# KiCad board QASS_PCB lowbar.kicad_pcb
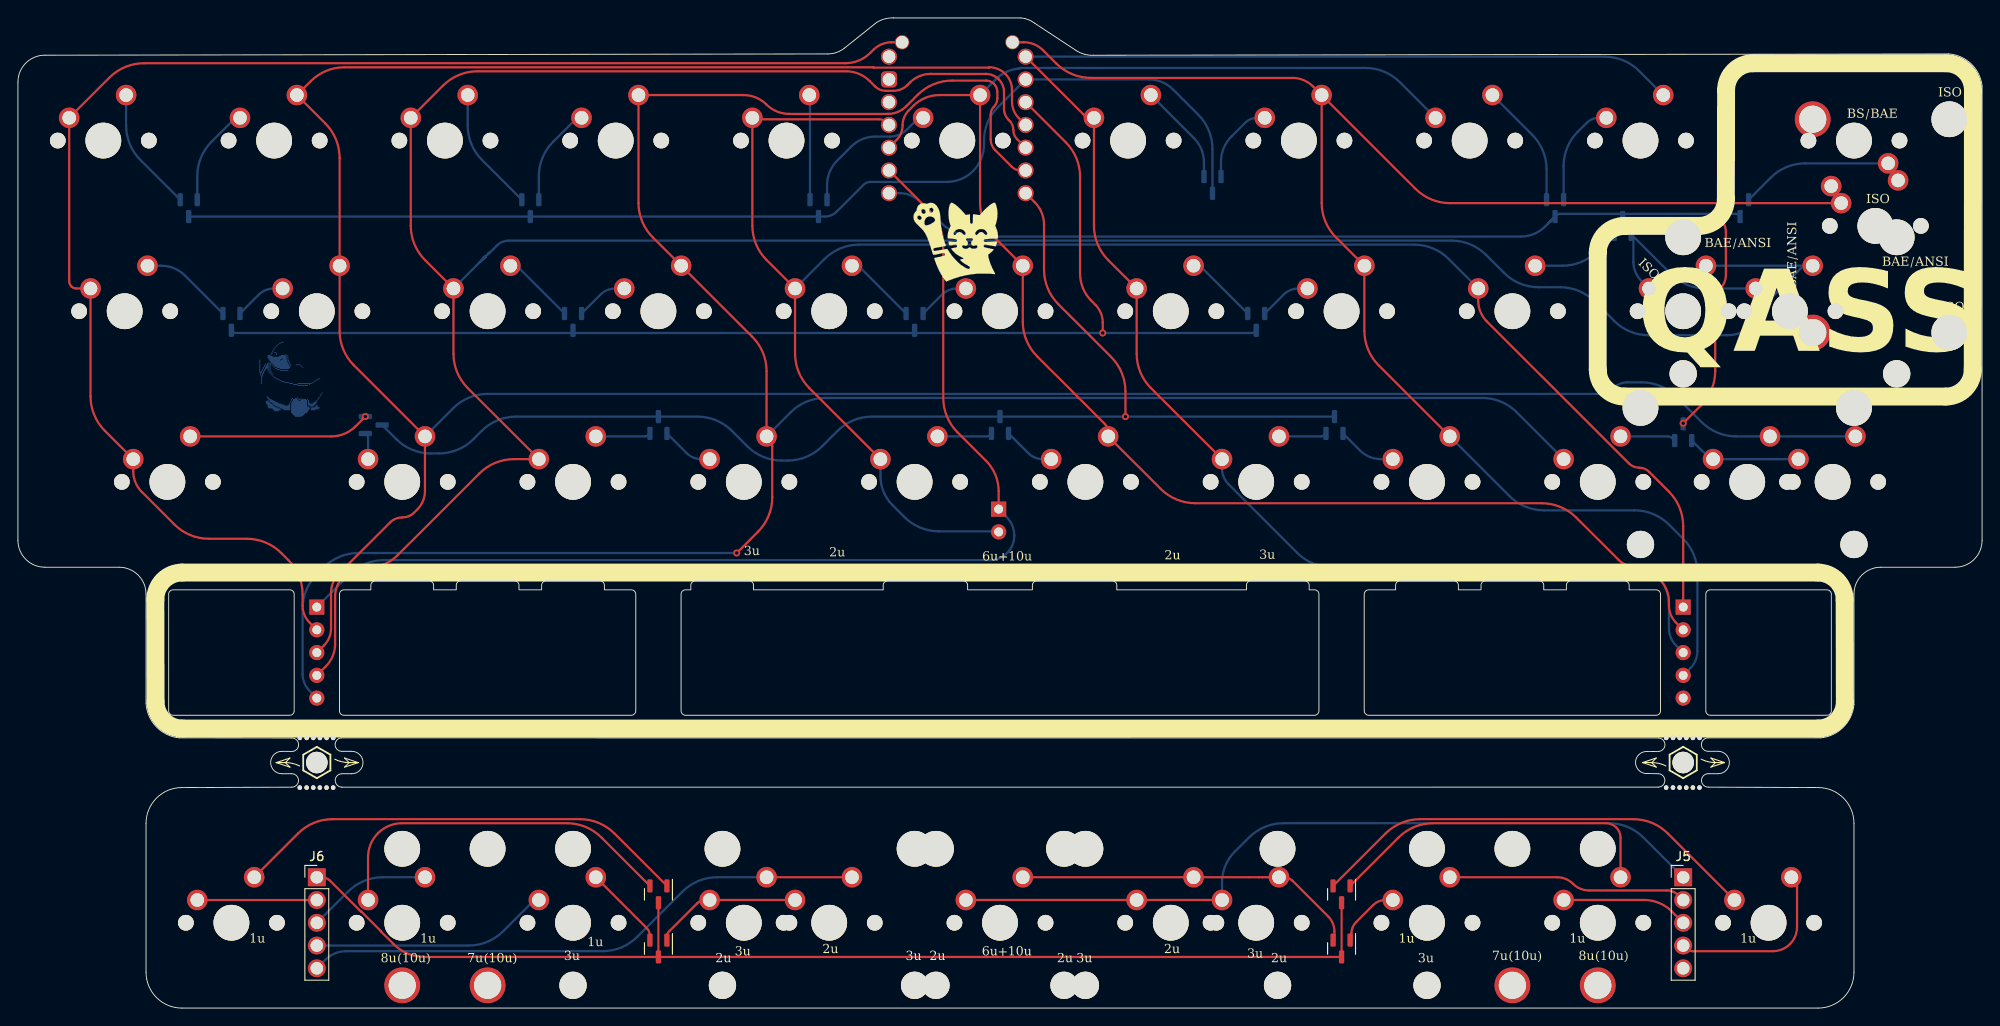
[diagram p0: board, top side]
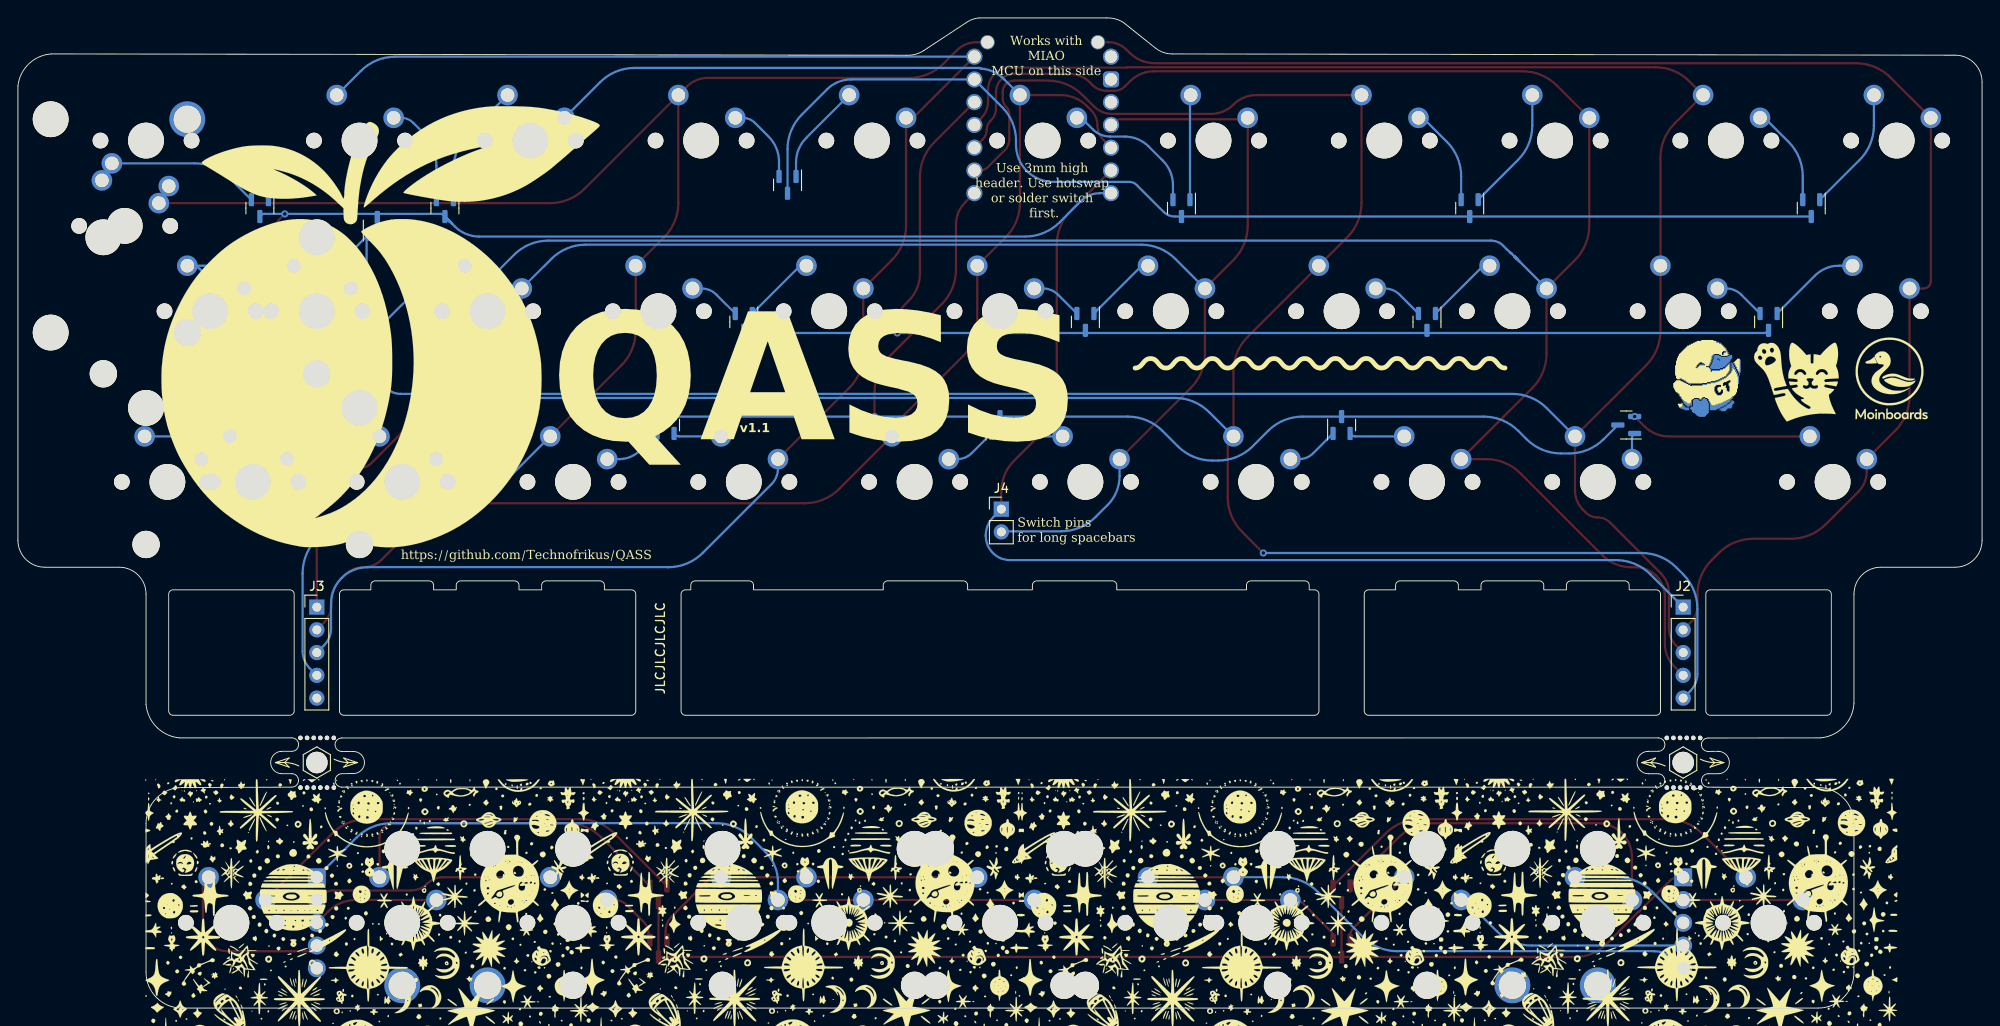
[diagram p1: board, bottom side, seen from below]

Outline 219.07 x 110.53 mm; copper layers: Top, Bottom. Coordinates in mm from the lower left corner of the outline.
Outline path: 30.81,46.19 30.81,33.19 30.31,32.69 17.31,32.69 16.81,33.19 16.81,46.19 17.31,46.69 30.31,46.69 closed ; 202.26,46.19 202.26,33.19 201.76,32.69 188.76,32.69 188.26,33.19 188.26,46.19 188.76,46.69 201.76,46.69 closed ; 46.36,47.19 46.36,46.69 48.89,46.69 48.89,47.19 49.39,47.69 55.39,47.69 55.89,47.19 55.89,46.69 58.41,46.69 58.41,47.19 58.91,47.69 64.91,47.69 65.41,47.19 65.41,46.69 68.41,46.69 68.91,46.19 68.91,33.19 68.41,32.69 49.36,32.69 36.36,32.69 35.86,33.19 35.86,46.19 36.36,46.69 39.36,46.69 39.36,47.19 39.86,47.69 45.86,47.69 closed ; 160.66,47.19 160.66,46.69 163.19,46.69 163.19,47.19 163.69,47.69 169.69,47.69 170.19,47.19 170.19,46.69 172.71,46.69 172.71,47.19 173.21,47.69 179.21,47.69 179.71,47.19 179.71,46.69 182.71,46.69 183.21,46.19 183.21,33.19 182.71,32.69 163.66,32.69 150.66,32.69 150.16,33.19 150.16,46.19 150.66,46.69 153.66,46.69 153.66,47.19 154.16,47.69 160.16,47.69 closed ; 82.05,47.19 82.05,46.69 96.51,46.69 96.51,47.19 97.01,47.69 105.43,47.69 105.93,47.19 105.93,46.69 113.15,46.69 113.15,47.19 113.65,47.69 122.06,47.69 122.56,47.19 122.56,46.69 137.03,46.69 137.03,47.19 137.53,47.69 143.53,47.69 144.03,47.19 144.03,46.69 144.61,46.69 145.11,46.19 145.11,33.19 144.61,32.69 122.06,32.69 99.43,32.69 96.99,32.69 74.46,32.69 73.96,33.19 73.96,46.19 74.46,46.69 75.05,46.69 75.05,47.19 75.55,47.69 81.55,47.69 closed ; 30.54,24.66 18.28,24.62 arc(15.46,23.44) 14.29,20.62 14.29,4 arc(15.46,1.17) 18.29,0 200.79,0 arc(203.62,1.17) 204.79,4 204.79,20.62 arc(203.62,23.44) 200.8,24.62 188.53,24.66 ; 30.56,30.15 18.01,30.16 arc(15.43,31.41) 14.29,34.03 14.29,46.21 arc(13.41,48.33) 11.29,49.21 3,49.21 arc(0.88,50.09) 0,52.21 0,103.37 arc(0.88,105.49) 3,106.37 90.33,106.51 arc(91.32,106.68) 92.2,107.17 95.77,110.02 arc(96.67,110.41) 97.64,110.53 111.88,110.53 arc(112.68,110.34) 113.41,109.93 118.02,106.9 arc(118.97,106.47) 120,106.36 215.35,106.51 arc(217.86,105.4) 219.07,102.94 219.07,52.21 arc(218.2,50.09) 216.07,49.21 207.79,49.21 arc(205.67,48.33) 204.79,46.21 204.79,33.88 arc(203.6,31.35) 201.07,30.16 188.52,30.16 ; 182.94,24.66 36.13,24.66 ; 182.96,30.15 36.12,30.16

## Placement (name value [footprint] x y rotation side)
D1  BAV70_Small  [SOT-23#2]  57.15 89.3 270 bottom
D2  BAV70_Small  [SOT-23#2]  89.3 89.3 270 bottom
D3  BAV70_Small  [SOT-23#2]  133.24 91.89 270 bottom
D4  BAV70_Small  [SOT-23#2]  171.45 89.3 270 bottom
D5  BAV70_Small  [SOT-23#2]  23.81 76.6 270 bottom
D6  BAV70_Small  [SOT-23#2]  61.91 76.6 270 bottom
D7  BAV70_Small  [SOT-23#2]  100.01 76.6 270 bottom
D8  BAV70_Small  [SOT-23#2]  138.11 76.6 270 bottom
D9  BAV70_Small  [SOT-23]  178.99 87.31 90 bottom
D10  BAV70_Small  [SOT-23]  39.69 65.09 0 bottom
D11  BAV70_Small  [SOT-23]  71.44 65.09 90 bottom
D12  BAV70_Small  [SOT-23]  109.54 65.09 90 bottom
D13  BAV70_Small  [SOT-23]  146.84 65.09 90 bottom
D14  BAV70_Small  [SOT-23]  185.74 64.29 90 bottom
D15  BAV70_Small  [SOT-23#2]  71.44 12.7 270 top
D16  BAV70_Small  [SOT-23]  71.44 6.65 270 top
D17  BAV70_Small  [SOT-23]  147.64 6.65 270 top
D18  BAV70_Small  [SOT-23#2]  147.64 12.7 270 top
D19  BAV70_Small  [SOT-23#2]  192.09 89.3 270 bottom
D40  BAV70_Small  [SOT-23#2]  19.05 89.3 270 bottom
J2  Conn_01x05_Pin  [PinHeader_1x05_P2.54mm_Vertical#2]  33.34 44.76 180 bottom
J3  Conn_01x05_Pin  [PinHeader_1x05_P2.54mm_Vertical#2]  185.74 44.76 180 bottom
J4  Conn_01x02_Pin  [PinHeader_1x02_P2.54mm_Vertical]  109.39 55.7 180 bottom
J5  Conn_01x05_Pin  [PinHeader_1x05_P2.54mm_Vertical]  185.74 14.6 0 top
J6  Conn_01x05_Pin  [PinHeader_1x05_P2.54mm_Vertical]  33.34 14.6 0 top
MB5  5.5mm  [mousebites_5p5mm_easysnap]  185.74 30.16 90 top
MB5#2  5.5mm  [mousebites_5p5mm_easysnap]  33.34 30.16 90 top
MX1  MX_SW_solder  [SW_MX_1u]  9.52 96.84 0 top
MX2  MX_SW_solder  [SW_MX_1u]  28.57 96.84 0 top
MX3  MX_SW_solder  [SW_MX_1u]  47.62 96.84 0 top
MX4  MX_SW_solder  [SW_MX_1u]  66.67 96.84 0 top
MX5  MX_SW_solder  [SW_MX_1u]  85.72 96.84 0 top
MX6  MX_SW_solder  [SW_MX_1u]  104.77 96.84 0 top
MX7  MX_SW_solder  [SW_MX_1u]  123.82 96.84 0 top
MX8  MX_SW_solder  [SW_MX_1u]  142.87 96.84 0 top
MX9  MX_SW_solder  [SW_MX_1u]  161.92 96.84 0 top
MX10  MX_SW_solder  [SW_MX_1u]  180.97 96.84 0 top
MX11  MX_SW_solder  [SW_MX_1.5u#2]  204.79 96.84 180 top
MX12  MX_SW_solder  [SW_MX_1.25u]  11.91 77.79 0 top
MX13  MX_SW_solder  [SW_MX_1u]  33.34 77.79 0 top
MX14  MX_SW_solder  [SW_MX_1u]  52.39 77.79 0 top
MX15  MX_SW_solder  [SW_MX_1u]  71.44 77.79 0 top
MX16  MX_SW_solder  [SW_MX_1u]  90.49 77.79 0 top
MX17  MX_SW_solder  [SW_MX_1u]  109.54 77.79 0 top
MX18  MX_SW_solder  [SW_MX_1u]  128.59 77.79 0 top
MX19  MX_SW_solder  [SW_MX_1u]  147.64 77.79 0 top
MX20  MX_SW_solder  [SW_MX_1u]  166.69 77.79 0 top
MX21  MX_SW_solder  [SW_MX_1u]  197.64 77.79 0 top
MX22  MX_SW_solder  [SW_MX_1.75u]  16.67 58.74 0 top
MX23  MX_SW_solder  [SW_MX_1u]  42.86 58.74 0 top
MX24  MX_SW_solder  [SW_MX_1u]  61.91 58.74 0 top
MX25  MX_SW_solder  [SW_MX_1u]  80.96 58.74 0 top
MX26  MX_SW_solder  [SW_MX_1u]  100.01 58.74 0 top
MX27  MX_SW_solder  [SW_MX_1u]  119.06 58.74 0 top
MX28  MX_SW_solder  [SW_MX_1u]  138.11 58.74 0 top
MX29  MX_SW_solder  [SW_MX_1u]  157.16 58.74 0 top
MX30  MX_SW_solder  [SW_MX_1u]  176.21 58.74 0 top
MX31  MX_SW_solder  [SW_MX_1.75u]  202.41 58.74 0 top
MX32  MX_SW_solder  [SW_MX_1u]  23.81 9.53 0 top
MX33  MX_SW_solder  [SW_MX_1u]  42.86 9.53 0 top
MX34  MX_SW_solder  [SW_MX_1u]  61.91 9.53 0 top
MX35  MX_SW_solder  [SW_MX_1u]  80.96 9.53 0 top
MX36  MX_SW_solder  [SW_MX_1u]  138.11 9.53 0 top
MX37  MX_SW_solder  [SW_MX_1u]  157.16 9.53 0 top
MX38  MX_SW_solder  [SW_MX_1u]  176.21 9.53 0 top
MX39  MX_SW_solder  [SW_MX_1u]  195.26 9.53 0 top
MX40  MX_SW_solder  [SW_MX_1u]  90.49 9.53 0 top
MX41  MX_SW_solder  [SW_MX_1u]  109.54 9.53 0 top
MX42  MX_SW_solder  [SW_MX_1u]  128.59 9.53 0 top
MX43  MX_SW_solder  [SW_MX_1u]  192.88 58.74 0 top
MX44  MX_SW_solder  [SW_MX_1.5u]  207.17 87.31 0 top
MX45  MX_SW_solder  [SW_MX_1u]  185.74 77.79 0 top
NOREF  -  [06e4d271-3de8-4da3-9581-e3847de2831e]  207.57 90.88 0 top
NOREF#2  -  [06e4d271-3de8-4da3-9581-e3847de2831e]  203.99 99.22 180 top
Ref**  Val**  [Miaoxiao 10mm]  104.48 85.53 0 top
REF**  -  [Clacktales_9mm_whiteSilk]  30.66 70.79 180 bottom
Ref**#2  Val**  [starpattern]  180.18 0.91 0 bottom
Ref**#3  Val**  [starpattern]  131.63 0.95 0 bottom
Ref**#4  Val**  [Miaoxiao 10mm]  20.84 69.9 180 bottom
Ref**#5  Val**  [starpattern]  82.77 0.93 0 bottom
Ref**#6  Val**  [starpattern]  34.22 0.96 0 bottom
Ref**#7  Val**  [Duck 2 with text]  10.27 70.35 180 bottom
Ref**#8  Val**  [peach simple qass logo]  178.3 76 180 bottom
S1  MX_stab  [STAB_MX_2.25u]  197.64 77.79 180 top
S2  MX_stab  [STAB_MX_3u]  138.11 9.53 180 top
S3  MX_stab  [STAB_MX_3u]  80.96 9.53 180 top
S4  MX_stab  [STAB_MX_2u]  90.49 9.53 180 top
S5  MX_stab  [STAB_MX_2u]  128.59 9.53 180 top
S7  MX_stab  [STAB_MX_P_10u]  109.54 9.53 180 top
S8  MX_stab  [STAB_MX_2.75u]  192.88 58.74 180 top
S9  MX_stab  [STAB_MX_P_ISO]  207.17 87.31 0 top
U1  ~  [Miao]  104.77 98.58 180 bottom

## Library data of the parts
D1-D14 D16 D17 D19 D40 = -: Datasheet: https://assets.nexperia.com/documents/data-sheet/BAV70_SER.pdf; ki_fp_filters: SOT?23*
D15 D18 = -: Datasheet: https://assets.nexperia.com/documents/data-sheet/BAV70_SER.pdf
J2 J3 = -: Description: Generic connector, single row, 01x05, script generated; ki_fp_filters: Connector*:*_1x??_*
J4 = -: Description: Generic connector, single row, 01x02, script generated; ki_fp_filters: Connector*:*_1x??_*
J5 J6 = -: Description: Generic connector, single row, 01x05, script generated
MB5 MB5#2 = -: Description: Mounting Hole without connection
S9 = -: Description: Cherry MX-style stabilizer

## Footprints (pads in the part's own frame, mm; a bottom-side part is the same pattern mirrored in y, then rotated)
Miao
  round 1.8 hole 1.4: 1(-7.62,7.62) 2(-7.62,5.08) 3(-7.62,2.54) 4(-7.62,0) 5(-7.62,-2.54) 6(-7.62,-5.08) 7(-7.62,-7.62) 8(7.62,-7.62) 9(7.62,-5.08) 10(7.62,-2.54) 11(7.62,0) 12(7.62,2.54) 14(7.62,7.62)
  rrect 1.8x1.8 hole 1.4: 13(7.62,5.08)
  round 1.6 hole 1.4: 17(6.155,9.23) 18(-6.155,9.23)
mousebites_5p5mm_easysnap
  round 0.5 hole 0.5 unplated: (-5.55,1.9) (-5.55,1.138) (-5.55,0.398) (-5.55,-0.342) (-5.55,-1.082) (-5.55,-1.822) (-0.001,1.893) (-0.001,1.131) (-0.001,0.391) (-0.001,-0.349) (-0.001,-1.089) (-0.001,-1.829)
  round 2.4 hole 2.4 unplated: (-2.75,0)
PinHeader_1x02_P2.54mm_Vertical
  rect 1.7x1.7 hole 1: 1(0,0)
  oval 1.7x1.7 hole 1: 2(0,-2.54)
PinHeader_1x05_P2.54mm_Vertical
  rect 2x2 hole 1.4: 1(0,0)
  oval 2x2 hole 1.4: 2(0,-2.54) 3(0,-5.08) 4(0,-7.62) 5(0,-10.16)
PinHeader_1x05_P2.54mm_Vertical#2
  rect 1.7x1.7 hole 1: 1(0,0)
  oval 1.7x1.7 hole 1: 2(0,-2.54) 3(0,-5.08) 4(0,-7.62) 5(0,-10.16)
SOT-23
  rrect 1.475x0.6 smd: 1(-0.938,-0.95) 2(-0.938,0.95) 3(0.938,0)
SOT-23#2
  rrect 1.475x0.6 smd: 1(-0.938,0.95) 2(-0.938,-0.95) 3(0.938,0)
STAB_MX_2.25u
  round 3.048 hole 3.048 unplated: (-11.906,6.985) (11.906,6.985)
  round 3.988 hole 3.988 unplated: (-11.906,-8.255) (11.906,-8.255)
STAB_MX_2.75u
  round 3.048 hole 3.048 unplated: (-11.906,6.985) (11.906,6.985)
  round 3.988 hole 3.988 unplated: (-11.906,-8.255) (11.906,-8.255)
STAB_MX_2u
  round 3.048 hole 3.048 unplated: (-11.906,6.985) (11.906,6.985)
  round 3.988 hole 3.988 unplated: (-11.906,-8.255) (11.906,-8.255)
STAB_MX_3u
  round 3.048 hole 3.048 unplated: (-19.05,6.985) (19.05,6.985)
  round 3.988 hole 3.988 unplated: (-19.05,-8.255) (19.05,-8.255)
STAB_MX_P_10u
  round 4 hole 3.048: (-66.675,6.985) (-57.15,6.985) (57.15,6.985) (66.675,6.985)
  round 3.988 hole 3.988 unplated: (-66.675,-8.255) (-57.15,-8.255) (57.15,-8.255) (66.675,-8.255)
STAB_MX_P_ISO
  round 4 hole 3.048: (-6.985,11.906) (-6.985,-11.906)
  round 3.988 hole 3.988 unplated: (8.255,11.906) (8.255,-11.906)
SW_MX_1.5u
  round 1.75 hole 1.75 unplated: (-5.08,0) (5.08,0)
  round 3.988 hole 3.988 unplated: (0,0)
  round 2.3 hole 1.524: 1(-3.81,2.54) 2(2.54,5.08)
SW_MX_1.5u#2
  round 1.75 hole 1.75 unplated: (-5.08,0) (5.08,0)
  round 3.988 hole 3.988 unplated: (0,0)
  round 2.3 hole 1.524: 1(2.54,5.08) 2(-3.81,2.54)
SW_MX_1.25u
  round 1.75 hole 1.75 unplated: (-5.08,0) (5.08,0)
  round 3.988 hole 3.988 unplated: (0,0)
  round 2.3 hole 1.524: 1(-3.81,2.54) 2(2.54,5.08)
SW_MX_1.75u
  round 1.75 hole 1.75 unplated: (-5.08,0) (5.08,0)
  round 3.988 hole 3.988 unplated: (0,0)
  round 2.3 hole 1.524: 1(-3.81,2.54) 2(2.54,5.08)
SW_MX_1u
  round 1.75 hole 1.75 unplated: (-5.08,0) (5.08,0)
  round 3.988 hole 3.988 unplated: (0,0)
  round 2.3 hole 1.524: 1(-3.81,2.54) 2(2.54,5.08)

## Nets
c0: J2.2 MX1.1 MX12.1 MX22.1 U1.17
c1: J2.3 MX2.2 MX13.2 MX23.2 MX31.2 MX43.2 U1.4
c2: J2.4 MX3.1 MX14.1 MX21.2 MX24.1 MX45.2 U1.5
c3: J2.5 MX4.2 MX15.2 MX25.2 MX30.1 U1.6
c4: J3.1 J4.2 MX5.1 MX16.1 MX20.1 MX26.1 U1.11
c5: J3.2 MX6.2 MX9.1 MX17.2 MX27.2 U1.10
c6: J3.3 MX7.1 MX10.2 MX18.1 MX28.1 U1.1
c7: J3.4 MX8.2 MX11.1 MX19.2 MX29.2 MX44.1 U1.18
r0: D1.3 D2.3 D3.3 D40.3 U1.2
r1: D5.3 D6.3 D7.3 D8.3 U1.3
r2: D10.3 D11.3 D12.3 D13.3 U1.7
r3: J2.1 J4.1 U1.9
r4: D4.3 D9.3 D14.3 D19.3 U1.8
Net-(D1-A1): D1.1 MX3.2
Net-(D1-A2): D1.2 MX4.1
Net-(D2-A1): D2.1 MX5.2
Net-(D2-A2): D2.2 MX6.1
Net-(D3-A1): D3.1 MX7.2
Net-(D3-A2): D3.2 MX8.1
Net-(D4-A1): D4.1 MX9.2
Net-(D4-A2): D4.2 MX10.1
Net-(D5-A1): D5.1 MX12.2
Net-(D5-A2): D5.2 MX13.1
Net-(D6-A1): D6.1 MX14.2
Net-(D6-A2): D6.2 MX15.1
Net-(D7-A1): D7.1 MX16.2
Net-(D7-A2): D7.2 MX17.1
Net-(D8-A1): D8.1 MX18.2
Net-(D8-A2): D8.2 MX19.1
Net-(D9-A1): D9.1 MX20.2
Net-(D9-A2): D9.2 MX21.1 MX45.1
Net-(D10-A1): D10.1 MX22.2
Net-(D10-A2): D10.2 MX23.1
Net-(D11-A1): D11.1 MX24.2
Net-(D11-A2): D11.2 MX25.1
Net-(D12-A1): D12.1 MX26.2
Net-(D12-A2): D12.2 MX27.1
Net-(D13-A1): D13.1 MX28.2
Net-(D13-A2): D13.2 MX29.1
Net-(D14-A1): D14.1 MX30.2
Net-(D14-A2): D14.2 MX31.1 MX43.1
Net-(D15-A1): D15.1 MX32.2
Net-(D15-A2): D15.2 MX33.1
Net-(D15-K): D15.3 D16.3 D17.3 D18.3 J6.1
Net-(D16-A1): D16.1 MX34.2
Net-(D16-A2): D16.2 MX35.1 MX40.1
Net-(D17-A1): D17.1 MX36.2 MX41.2 MX42.2
Net-(D17-A2): D17.2 MX37.1
Net-(D18-A1): D18.1 MX38.2
Net-(D18-A2): D18.2 MX39.1
Net-(D19-A2): D19.2 MX11.2 MX44.2
Net-(D40-A1): D40.1 MX1.2
Net-(D40-A2): D40.2 MX2.1
Net-(J5-Pin_1): J5.1 MX36.1 MX41.1 MX42.1
Net-(J5-Pin_2): J5.2 MX37.2
Net-(J5-Pin_3): J5.3 MX38.1
Net-(J5-Pin_4): J5.4 MX39.2
Net-(J6-Pin_2): J6.2 MX32.1
Net-(J6-Pin_3): J6.3 MX33.2
Net-(J6-Pin_4): J6.4 MX34.1
Net-(J6-Pin_5): J6.5 MX35.2 MX40.2

Pads without a net: D19 1; J3 5; J5 5; U1 12 13 14

## Via types
v1: diameter 0.8, hole 0.4, Top to Bottom, 6 vias

## Routing (per net, layer and track width the routed paths; a pad name or vN(x,y) marks a point on that pad's centre or on a via; arc(x,y) is an arc through that point)
c0: length 169.4
  Top w0.25: J2.2 32.54,43.02 arc(31.96,43.9) 31.75,44.93 31.75,46.16 arc(31.34,48.25) 30.16,50.01 29.38,50.79 arc(27.61,51.97) 25.53,52.39 21.3,52.39 arc(19.22,52.8) 17.46,53.98 13.81,57.62 arc(13.11,58.68) 12.86,59.93 MX22.1 9.69,64.45 arc(8.51,66.21) 8.1,68.29 MX12.1 6.53,80.33 arc(6.22,80.39) 5.95,80.57 arc(5.78,80.83) 5.71,81.14 MX1.1 10.22,103.88 arc(11.98,105.06) 14.06,105.47 92.27,105.47 arc(93.79,105.78) 95.09,106.64 95.43,106.98 arc(96.35,107.6) 97.44,107.81 U1.17
c1: length 323.4
  Top w0.25: U1.4 111.64,99.34 arc(111.07,100.18) 110.88,101.18 110.88,102.48 arc(110.68,103.45) 110.13,104.28 arc(109.31,104.83) 108.34,105.02 108.31,105 arc(108.29,104.98) 108.26,104.98 95.47,104.98 arc(95.45,104.98) 95.42,105 arc(95.4,105.02) 95.37,105.02 36.42,105.02 arc(34.39,104.62) 32.67,103.47 MX2.2 34.28,98.75 arc(35.46,96.98) 35.88,94.9 MX13.2 35.88,75.6 arc(36.29,73.51) 37.47,71.75 MX23.2 45.4,57.75 arc(45.18,56.61) 44.53,55.64 44.22,55.33 arc(43.6,54.91) 42.86,54.77 arc(42.13,54.62) 41.51,54.21 35.82,48.52 arc(35.16,47.53) 34.92,46.36 34.92,42.39 arc(34.72,41.36) 34.13,40.48 J2.3
  Bottom w0.25: MX31.2 MX43.2 191.64,63.82 arc(189.56,64.23) 187.79,65.41 184.95,68.26 arc(183.18,69.44) 181.1,69.85 179.51,69.85 arc(178.66,69.68) 177.95,69.21 arc(177.23,68.73) 176.39,68.56 52.4,68.56 arc(50.32,68.15) 48.55,66.97 MX23.2
c2: length 331.2
  Top w0.25: U1.5 111.45,96.99 arc(111.14,97.46) 111.03,98.02 arc(110.91,98.58) 110.6,99.05 110.5,99.14 arc(110.12,99.72) 109.98,100.4 109.98,102.25 arc(109.83,103.02) 109.39,103.68 arc(108.73,104.12) 107.95,104.28 101.79,104.28 arc(100.56,104.03) 99.52,103.34 99.22,103.04 arc(98.5,102.56) 97.66,102.39 96.78,102.39 arc(96.15,102.52) 95.61,102.88 95,103.48 arc(93.8,104.29) 92.37,104.57 51.26,104.57 arc(49.18,104.16) 47.42,102.98 MX3.1 43.81,87.34 arc(44.23,85.26) 45.41,83.5 MX14.1 48.58,73.06 arc(48.99,70.97) 50.17,69.21 58.1,61.28 55.33,61.28 arc(53.24,60.86) 51.48,59.68 42.31,50.52 arc(40.87,49.55) 39.16,49.21 38.67,49.21 arc(37.41,48.96) 36.34,48.25 arc(35.63,47.18) 35.37,45.92 35.37,40.62 arc(35.11,39.29) 34.36,38.16 J2.4
  Bottom w0.25: MX14.1 51.79,83.54 52.03,83.78 arc(52.03,83.78) 52.03,83.78 52.16,83.91 arc(52.16,83.91) 52.16,83.91 arc(52.24,83.99) 52.33,84.08 52.38,84.13 arc(52.41,84.16) 52.45,84.19 52.46,84.2 arc(52.48,84.22) 52.5,84.24 arc(52.52,84.26) 52.54,84.28 arc(52.57,84.3) 52.59,84.32 arc(52.61,84.34) 52.63,84.36 52.65,84.37 arc(52.66,84.38) 52.67,84.39 52.68,84.4 arc(52.86,84.55) 53.03,84.72 53.42,85.11 arc(54.04,85.53) 54.78,85.67 159.9,85.67 arc(161.98,85.26) 163.75,84.08 165.76,82.06 arc(167.53,80.88) 169.61,80.47 172.02,80.47 arc(174.11,80.05) 175.87,78.87 178.04,76.7 arc(179.81,75.52) 181.89,75.11 190.65,75.11 arc(192.3,75.44) 193.7,76.37 194.6,77.27 arc(194.87,77.68) 194.96,78.16 arc(195.06,78.64) 195.33,79.05 198.79,82.5 arc(199.19,82.77) 199.67,82.87 MX45.2
c3: length 266.6
  Top w0.25: v1(80.17,50.8) 82.54,53.17 arc(83.72,54.94) 84.14,57.02 84.14,62.73 arc(84.05,63.15) 83.82,63.5 arc(83.59,63.85) 83.5,64.27 83.5,71.09 arc(83.09,73.17) 81.91,74.94 MX15.2 70.81,86.04 arc(69.63,87.8) 69.21,89.88 MX4.2 80.94,101.92 arc(82.32,101.64) 83.48,100.87 arc(84.65,100.09) 86.02,99.81 97.03,99.81 arc(98.14,100.03) 99.07,100.66 100.35,101.94 arc(102.12,103.12) 104.2,103.53 107.97,103.53 arc(108.46,103.44) 108.87,103.16 arc(109.14,102.75) 109.24,102.26 109.24,101.53 arc(109.14,101.04) 108.87,100.63 arc(108.59,100.22) 108.5,99.73 108.5,96.99 arc(108.63,96.33) 109,95.76 110.86,93.9 arc(111.31,93.61) 111.83,93.5
  Bottom w0.25: J2.5 32.54,35.4 arc(31.96,36.28) 31.75,37.31 31.75,44.58 arc(32.16,46.66) 33.34,48.43 34.12,49.21 arc(35.89,50.39) 37.97,50.8 v1(80.17,50.8) ; MX25.2 86.2,66.52 arc(87.97,67.7) 90.05,68.11 163.32,68.11 arc(165.4,67.7) 167.16,66.52 MX30.1
c4: length 200.7
  Top w0.25: MX20.1 162.88,78.97 arc(163.13,77.71) 163.84,76.64 179.69,60.79 arc(180.21,60.45) 180.82,60.33 arc(181.42,60.2) 181.94,59.86 184.14,57.65 arc(185.32,55.89) 185.74,53.81 J3.1 ; 82.19,99.22 96.07,99.22 arc(96.49,99.14) 96.84,98.9 ; 81.91,99.27 81.91,87.34 arc(82.33,85.26) 83.51,83.5 MX16.1 86.68,73.06 arc(87.09,70.97) 88.27,69.21 95.5,61.98
  Bottom w0.25: 109.54,53.22 102.72,53.22 arc(100.64,53.64) 98.88,54.81 97.54,56.15 arc(96.55,57.63) 96.2,59.38 MX26.1 ; MX16.1 89.98,83.63 arc(91.74,84.81) 93.83,85.22 155.73,85.22 arc(157.81,84.81) 159.58,83.63 MX20.1
c5: length 184.1
  Top w0.25: J3.2 184.94,43.02 arc(184.36,43.9) 184.15,44.93 184.15,45.32 arc(183.87,46.72) 183.08,47.9 182.62,48.36 arc(181.68,48.99) 180.56,49.21 arc(179.44,49.43) 178.5,50.07 173.8,54.76 arc(172.04,55.94) 169.95,56.36 131.32,56.36 arc(129.24,56.77) 127.47,57.95 MX27.2 ; 97.16,96.07 97.99,96.9 arc(98.5,97.66) 98.67,98.55 arc(98.85,99.44) 99.36,100.2 99.87,100.72 arc(101.2,101.61) 102.77,101.92 MX6.2 107.31,89.88 arc(107.73,87.8) 108.91,86.04 MX17.2 112.08,76.61 arc(112.49,74.53) 113.67,72.76 121.24,65.19 arc(121.51,64.79) 121.6,64.32
  Bottom w0.25: MX6.2 109.04,103.64 arc(109.11,103.71) 109.18,103.78 arc(109.25,103.85) 109.33,103.91 109.4,103.98 arc(109.56,104.1) 109.72,104.21 arc(109.89,104.32) 110.06,104.41 arc(110.23,104.5) 110.41,104.58 arc(110.6,104.65) 110.78,104.71 arc(110.97,104.77) 111.17,104.81 arc(111.36,104.84) 111.56,104.87 111.71,104.88 arc(111.75,104.89) 111.78,104.92 arc(111.82,104.94) 111.86,104.95 150.29,104.95 arc(152.37,104.53) 154.14,103.35 MX9.1
c6: length 189.9
  Top w0.25: U1.1 118.94,99.66 arc(119.25,99.45) 119.62,99.38 ; MX28.1 126.37,69.21 arc(125.19,70.97) 124.78,73.06 MX18.1 121.61,83.5 arc(120.43,85.26) 120.01,87.34 120.01,98.98
  Bottom w0.25: J3.3 184.94,40.48 arc(184.36,41.36) 184.15,42.39 184.15,45.15 arc(183.84,46.7) 182.96,48.02 arc(181.64,48.9) 180.08,49.21 146.54,49.21 arc(144.46,49.63) 142.69,50.81 135.04,58.46 arc(134.49,59.28) 134.3,60.24 MX28.1 ; U1.1 176.97,106.2 arc(179.06,105.79) 180.82,104.61 MX10.2
c7: length 187.8
  Top w0.25: MX44.1 159.73,89.85 arc(157.65,90.27) 155.89,91.45 MX8.2 ; 145.41,101.24 145.41,89.88 arc(145.83,87.8) 147.01,86.04 MX19.2 150.18,75.6 arc(150.59,73.51) 151.77,71.75 MX29.2 ; U1.18 112.19,107.81 arc(113.35,107.58) 114.33,106.92 115.83,105.43 arc(117.6,104.25) 119.68,103.83 142.15,103.83 arc(143.4,103.58) 144.46,102.87 144.94,102.4
  Bottom w0.25: J3.4 186.53,37.94 arc(187.12,38.82) 187.32,39.85 187.32,48.55 arc(186.91,50.63) 185.73,52.39 184.16,53.97 arc(182.39,55.15) 180.31,55.56 170.21,55.56 arc(168.13,55.98) 166.36,57.16 MX29.2
r0: length 131.4
  Bottom w0.25: D3.3 133.24,95.89 arc(132.82,97.97) 131.64,99.74 128.82,102.56 arc(127.6,103.38) 126.15,103.66 U1.2 109.29,100.56 arc(108.15,98.85) 107.75,96.84 107.75,96.37 arc(107.44,94.79) 106.54,93.44 arc(105.19,92.54) 103.6,92.22 95.13,92.22 arc(94.67,92.13) 94.28,91.87 91.28,88.88 arc(90.71,88.49) 90.03,88.36 D2.3 D40.3
r1: length 142.9
  Top w0.25: U1.3 116.87,96.65 arc(118.05,94.88) 118.47,92.8 118.47,82 arc(118.8,80.35) 119.73,78.94 120.18,78.5 arc(120.78,77.59) 121,76.52 v1(121,75.36)
  Bottom w0.25: 23.96,75.51 arc(24.13,75.4) 24.32,75.36 137.6,75.36 arc(137.8,75.4) 137.96,75.51
r2: length 140.6
  Top w0.25: v1(123.53,66.03) 123.53,68.84 arc(123.11,70.92) 121.93,72.68 116.04,78.57 arc(114.86,80.34) 114.45,82.42 114.45,87.46 arc(114.18,88.8) 113.42,89.94 U1.7
  Bottom w0.25: D13.3 v1(123.53,66.03) D12.3 95.27,66.03 arc(93.18,65.61) 91.42,64.43 89.7,62.71 arc(87.93,61.53) 85.85,61.12 85.2,61.12 arc(83.12,61.53) 81.35,62.71 79.63,64.43 arc(77.87,65.61) 75.79,66.03 D11.3 55.58,66.03 arc(53.5,65.61) 51.73,64.43 50.81,63.51 arc(49.04,62.33) 46.96,61.91 46.05,61.91 arc(43.97,62.33) 42.21,63.5 D10.3
r3: length 127
  Top w0.25: J4.1 109.39,57.69 arc(109.02,59.53) 107.98,61.09 104.8,64.27 arc(103.62,66.03) 103.21,68.12 103.21,85.2 arc(102.79,87.28) 101.61,89.05 U1.9
  Bottom w0.25: J4.1 110.29,54.8 arc(110.91,53.87) 111.12,52.78 111.12,52.72 arc(110.92,51.68) 110.33,50.8 arc(109.45,50.21) 108.41,50.01 40.84,50.01 arc(38.75,49.59) 36.99,48.41 J2.1
r4: length 122.2
  Top w0.25: v1(185.74,65.29) 187.72,67.26 arc(188.9,69.03) 189.31,71.11 189.31,78.93 arc(189.46,79.71) 189.9,80.37 arc(190.35,81.03) 190.5,81.8 190.5,86.62 arc(190.35,87.4) 189.9,88.06 v1(189.31,88.65)
  Bottom w0.25: U1.8 98.4,90.96 arc(99.54,90.74) 100.51,90.09 102.88,87.72 arc(104.65,86.54) 106.73,86.12 167.63,86.12 arc(169.09,86.41) 170.33,87.24 170.91,87.82 arc(170.91,87.82) 170.91,87.82 170.97,87.88 arc(170.97,87.88) 170.97,87.88 171.28,88.19 ; 171.6,88.51 arc(171.77,88.62) 171.96,88.66 191.58,88.66 arc(191.77,88.62) 191.94,88.51
Net-(D1-A1): length 13.9
  Bottom w0.25: D1.1 51.76,94.68 arc(50.58,96.44) 50.16,98.52 MX3.2
Net-(D1-A2): length 10.4
  Bottom w0.25: 62.19,99.2 59.69,96.7 arc(58.51,94.94) 58.1,92.86 D1.2
Net-(D2-A1): length 11.5
  Bottom w0.25: 88.35,101.78 D2.1
Net-(D2-A2): length 15.2
  Bottom w0.25: 100.29,99.2 99.16,98.07 arc(98.29,97.49) 97.26,97.28 95.63,97.28 arc(94.18,97) 92.95,96.18 91.39,94.62 arc(90.54,93.35) 90.25,91.85 D2.2
Net-(D3-A1): length 11.4
  Bottom w0.25: D3.1 132.29,94.41 arc(131.99,95.88) 131.17,97.12 MX7.2
Net-(D3-A2): length 8.5
  Bottom w0.25: D3.2 134.19,94.48 arc(134.49,96) 135.35,97.29 136.86,98.8 arc(137.5,99.23) 138.25,99.38
Net-(D4-A1): length 13.9
  Bottom w0.25: MX9.2 168.91,97.48 arc(170.09,95.71) 170.5,93.63 D4.1
Net-(D4-A2): length 10.9
  Bottom w0.25: D4.2 172.4,94.02 arc(172.81,96.07) 173.97,97.81 174.96,98.8 arc(175.6,99.23) 176.35,99.38
Net-(D5-A1): length 10.5
  Bottom w0.25: D5.1 18.62,81.78 arc(17.41,82.58) 15.99,82.87 MX12.2
Net-(D5-A2): length 4.8
  Bottom w0.25: D5.2 26.86,79.63 arc(27.63,80.15) 28.54,80.33
Net-(D6-A1): length 7.2
  Bottom w0.25: 55.88,82.62 60.96,77.53
Net-(D6-A2): length 4.8
  Bottom w0.25: D6.2 64.96,79.63 arc(65.73,80.15) 66.64,80.33
Net-(D7-A1): length 7.2
  Bottom w0.25: 93.98,82.62 D7.1
Net-(D7-A2): length 4.8
  Bottom w0.25: D7.2 103.06,79.63 arc(103.83,80.15) 104.74,80.33
Net-(D8-A1): length 7.2
  Bottom w0.25: 132.08,82.62 D8.1
Net-(D8-A2): length 4.8
  Bottom w0.25: D8.2 141.16,79.63 arc(141.93,80.15) 142.84,80.33
Net-(D9-A1): length 10
  Bottom w0.25: MX20.2 172.28,82.87 arc(174.36,83.28) 176.13,84.46 D9.1
Net-(D9-A2): length 22.5
  Bottom w0.25: MX21.1 188.24,80.33 arc(186.16,80.74) 184.39,81.92 180.06,86.25 arc(180.16,86.11) 180.19,85.95 180.19,83.3 arc(180.41,82.16) 181.06,81.2 MX45.1
Net-(D10-A1): length 20.3
  Top w0.25: MX22.2 34.96,63.82 arc(36.41,64.11) 37.64,64.93 v1(38.75,66.04)
Net-(D10-A2): length 3
  Bottom w0.25: D10.2 38.9,63.99 arc(39.01,63.82) 39.05,63.62 MX23.1
Net-(D11-A1): length 6.1
  Bottom w0.25: MX24.2 69.92,63.82 arc(70.14,63.86) 70.32,63.98 D11.1
Net-(D11-A2): length 5.9
  Bottom w0.25: D11.2 74.59,61.95 arc(75.33,61.45) 76.21,61.28 MX25.1
Net-(D12-A1): length 6.1
  Bottom w0.25: 102.55,63.82 108.02,63.82 arc(108.24,63.86) 108.42,63.98 D12.1
Net-(D12-A2): length 5.9
  Bottom w0.25: D12.2 112.69,61.95 arc(113.43,61.45) 114.31,61.28 MX27.1
Net-(D13-A1): length 5.4
  Bottom w0.25: D13.1 145.73,63.98 arc(145.54,63.86) 145.33,63.82 MX28.2
Net-(D13-A2): length 6.6
  Bottom w0.25: D13.2 149.72,62.23 arc(150.77,61.52) 152.01,61.28 MX29.1
Net-(D14-A1): length 6.2
  Bottom w0.25: MX30.2 184,63.82 arc(184.3,63.76) 184.56,63.59 D14.1
Net-(D14-A2): length 12.6
  Bottom w0.25: D14.2 187.73,62.32 arc(188.88,61.55) 190.24,61.28 MX31.1
Net-(D15-A1): length 51.3
  Top w0.25: D15.1 66.53,19.49 arc(64.77,20.67) 62.68,21.09 35.09,21.09 arc(33.01,20.67) 31.24,19.49 MX32.2
Net-(D15-A2): length 41
  Top w0.25: D15.2 65.08,19.04 arc(63.32,20.22) 61.23,20.64 42.85,20.64 arc(41.39,20.35) 40.16,19.53 arc(39.34,18.3) 39.05,16.84 MX33.1
Net-(D15-K): length 129.8
  Top w0.25: J6.1 33.88,14.6 arc(34.39,14.5) 34.82,14.21 38.24,10.79 arc(38.26,10.78) 38.28,10.78 arc(38.3,10.77) 38.32,10.76 40.47,8.61 arc(40.48,8.59) 40.48,8.58 arc(40.48,8.56) 40.49,8.54 41.9,7.13 arc(43.48,6.08) 45.34,5.71 D17.3 D18.3 ; D15.3 D16.3
Net-(D16-A1): length 9.5
  Top w0.25: MX34.2 70.14,8.92 arc(70.4,8.53) 70.49,8.08 D16.1
Net-(D16-A2): length 16.5
  Top w0.25: D16.2 72.39,7.95 arc(72.46,8.29) 72.65,8.58 75.77,11.7 arc(76.17,11.97) 76.64,12.07 MX40.1
Net-(D17-A1): length 38.6
  Top w0.25: 146.84,7.59 146.84,8.56 arc(146.66,9.46) 146.15,10.22 142.16,14.21 arc(141.72,14.5) 141.21,14.61 MX41.2
Net-(D17-A2): length 7.2
  Top w0.25: MX37.1 152.54,12.07 arc(151.79,11.92) 151.15,11.49 149.26,9.6 arc(148.87,9.02) 148.74,8.33 148.74,7.59
Net-(D18-A1): length 38.2
  Top w0.25: MX38.2 178.75,19.01 arc(178.63,19.63) 178.28,20.16 arc(177.75,20.51) 177.13,20.64 157.84,20.64 arc(155.76,20.22) 153.99,19.04 D18.1
Net-(D18-A2): length 51.1
  Top w0.25: D18.2 152.54,19.49 arc(154.31,20.67) 156.39,21.09 180.18,21.09 arc(182.26,20.67) 184.02,19.49 MX39.1
Net-(D19-A2): length 17
  Bottom w0.25: MX11.2 199.35,94.3 arc(197.27,93.88) 195.51,92.7 D19.2
Net-(D40-A1): length 13.9
  Bottom w0.25: D40.1 13.66,94.68 arc(12.48,96.44) 12.06,98.52 MX1.2
Net-(D40-A2): length 10.4
  Bottom w0.25: 24.09,99.2 21.59,96.7 arc(20.41,94.94) 20,92.86 D40.2
Net-(J5-Pin_1): length 87.7
  Top w0.25: MX41.1 MX36.1
  Bottom w0.25: J5.1 181.29,19.04 arc(179.53,20.22) 177.45,20.64 141.16,20.64 arc(139.08,20.22) 137.31,19.04 135.71,17.44 arc(134.67,15.88) 134.3,14.05 MX36.1
Net-(J5-Pin_2): length 26.8
  Top w0.25: J5.2 185.2,12.59 arc(184.61,12.99) 183.91,13.13 175.24,13.13 arc(174.27,13.32) 173.46,13.87 arc(172.64,14.41) 171.68,14.61 MX37.2
Net-(J5-Pin_3): length 14.2
  Top w0.25: J5.3 184.46,10.79 arc(183.06,11.73) 181.39,12.07 MX38.1
Net-(J5-Pin_4): length 20.2
  Top w0.25: J5.4 186.05,6.67 arc(186.4,6.43) 186.81,6.35 195.73,6.35 arc(196.76,6.56) 197.64,7.14 arc(198.23,8.02) 198.44,9.06 198.44,13.52 arc(198.35,13.94) 198.12,14.29 197.8,14.61
Net-(J6-Pin_2): length 13.3
  Top w0.25: J6.2 20.01,12.06 arc(20.01,12.06) 20,12.06 MX32.1
Net-(J6-Pin_3): length 13.9
  Bottom w0.25: J6.3 36.83,13.01 arc(38.59,14.19) 40.68,14.61 MX33.2
Net-(J6-Pin_4): length 26.6
  Bottom w0.25: 58.1,12.07 57.85,12.07 arc(57.62,12.02) 57.43,11.89 54.11,8.57 arc(52.35,7.39) 50.27,6.98 J6.4
Net-(J6-Pin_5): length 63.3
  Top w0.25: MX40.2 MX35.2
  Bottom w0.25: J6.5 34.29,5.4 arc(35.35,6.1) 36.6,6.35 65.21,6.35 arc(67.3,6.76) 69.06,7.94 74.13,13.01 arc(75.9,14.19) 77.98,14.61 MX35.2

## Text on the board
B.Silkscreen: JLCJLCJLCJLC | Switch pins / for long spacebars | https://github.com/Technofrikus/QASS | Works with / MIAO / MCU on this side | Use 3mm high / header. Use hotswap / or solder switch / first. | v1.1 | QASS
F.Silkscreen: ISO | 1u | 3u | 2u | 6u+10u | BAE/ANSI | QASS
